# Altium PCB SupBigBrrg_0.PcbDoc (part 21 of 29) (continued)
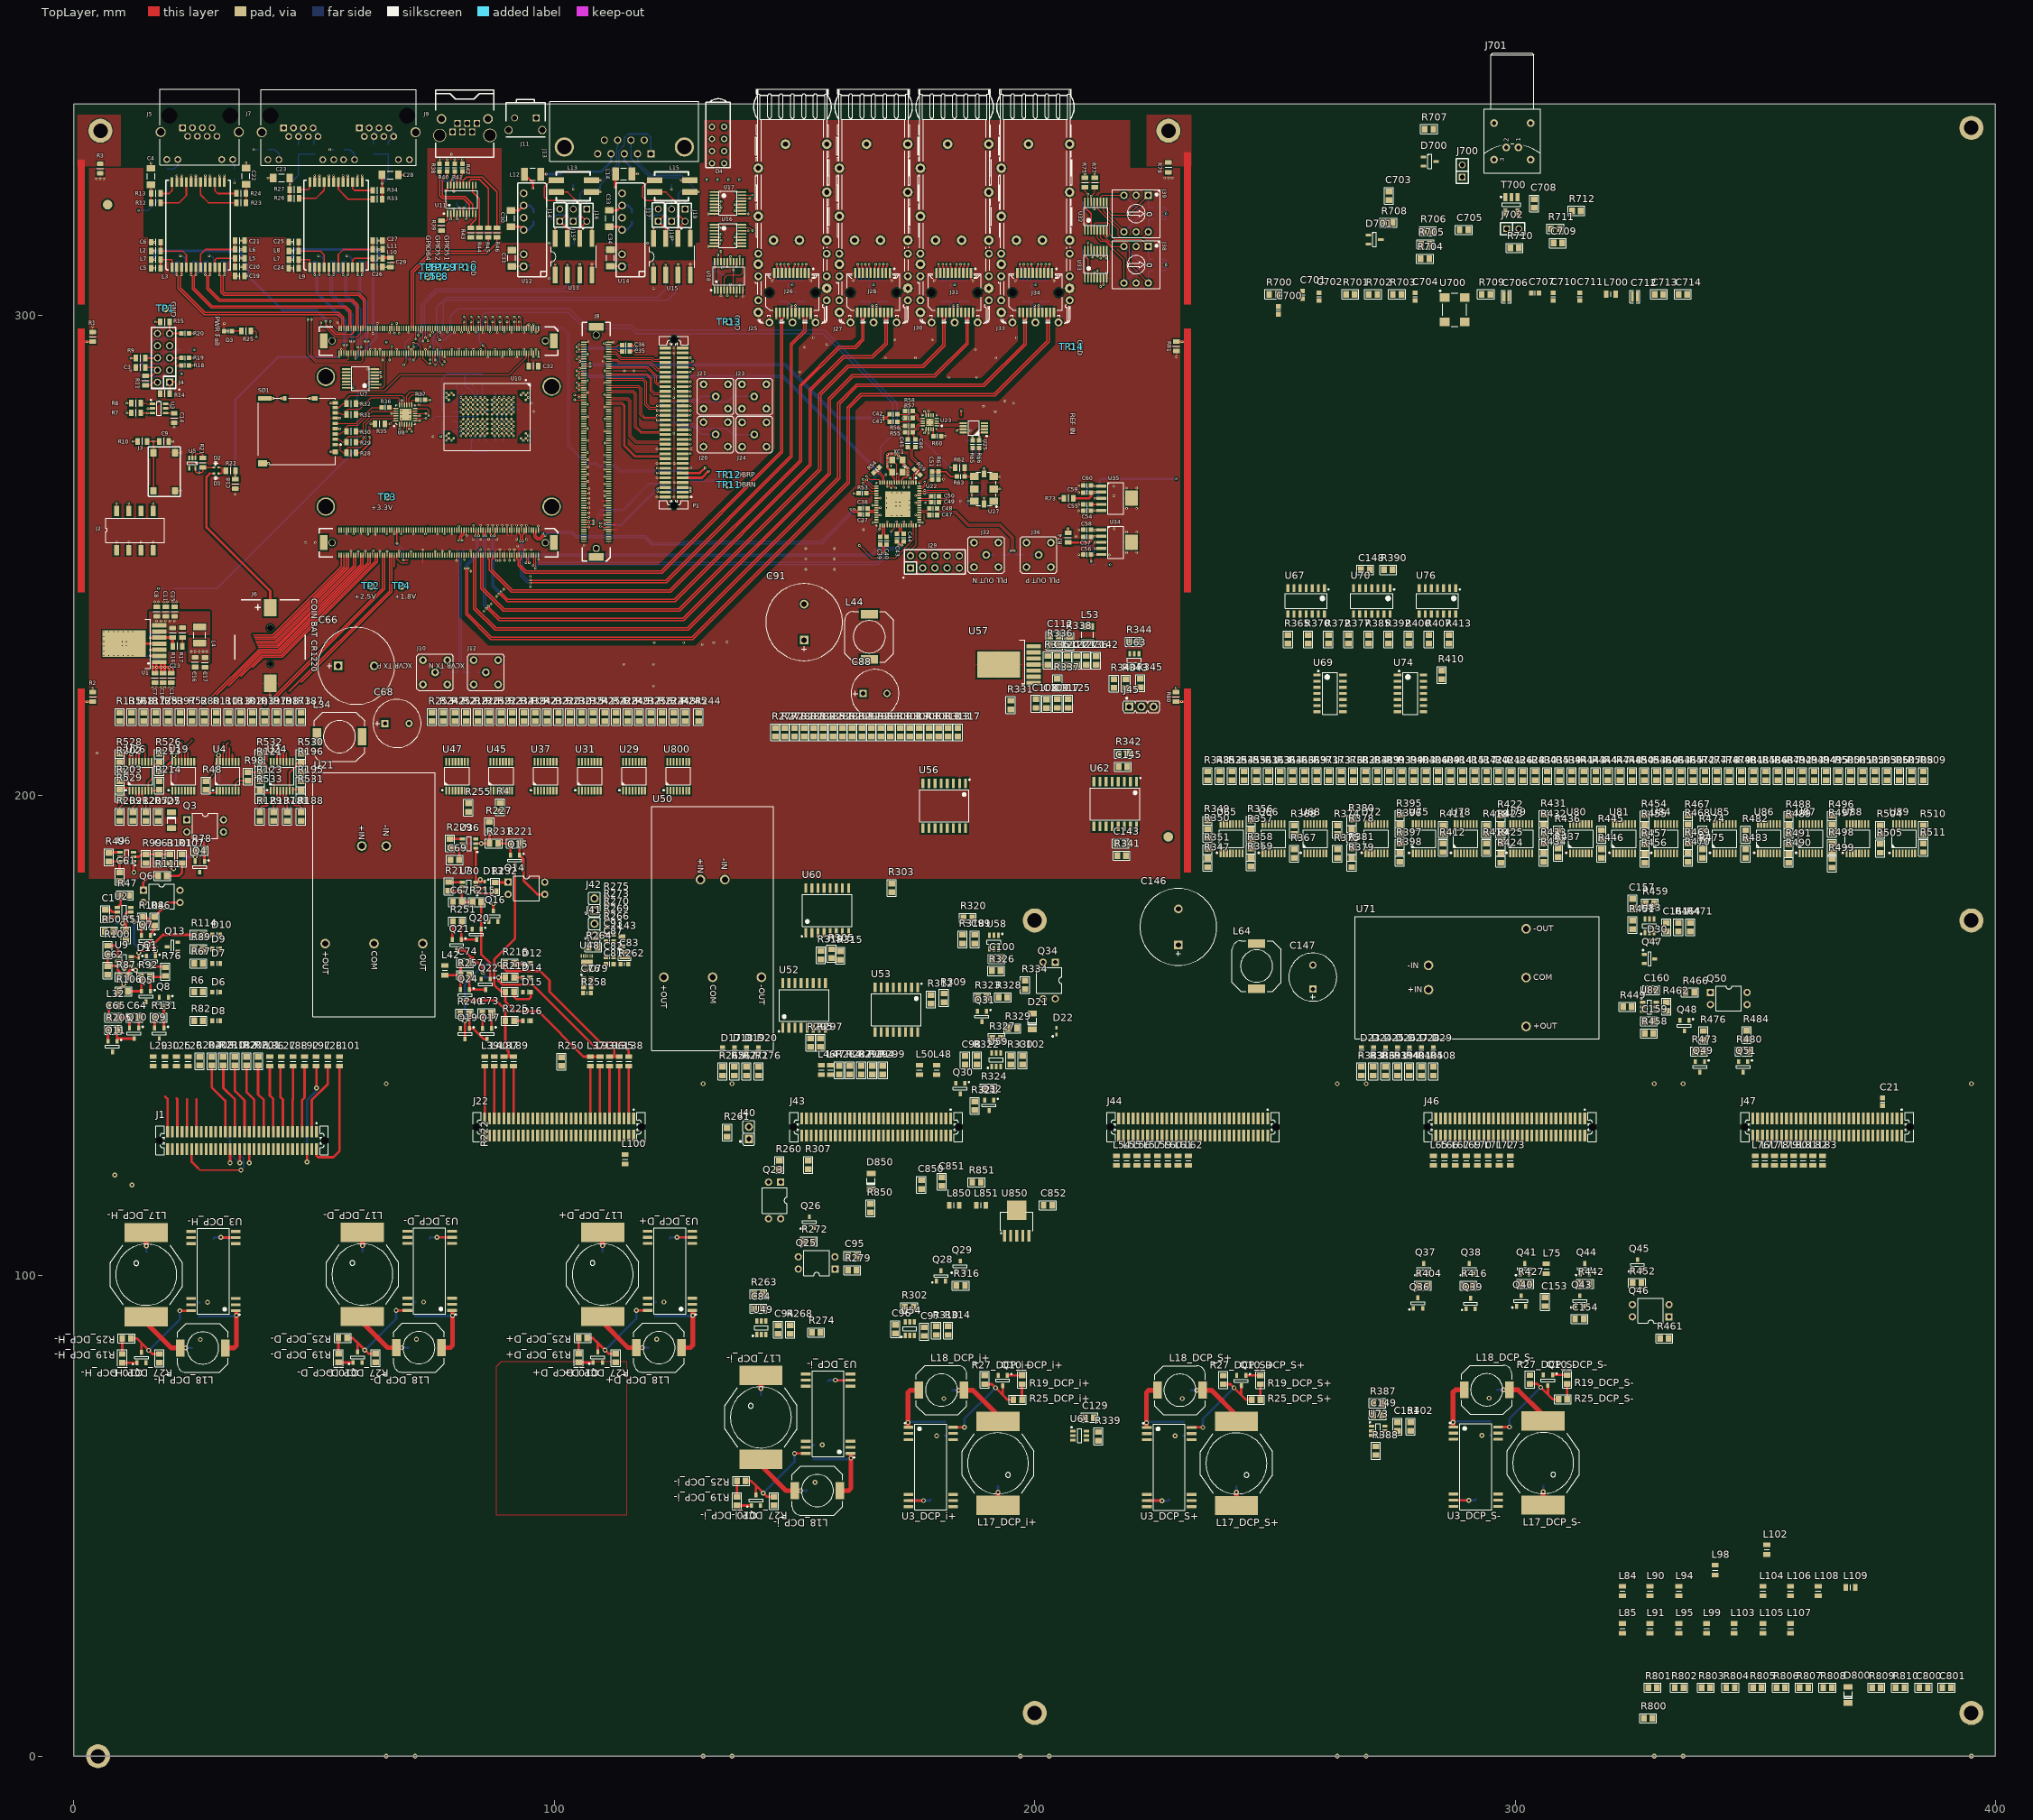
[diagram p0: TopLayer view]
## Components (designator, comment, footprint, x,y, rotation, side; value= is the part's Value field where it differs from the comment) (continued)
C30 "47uF" CAPC3216N 90.95,320.125 r90 top locked (schematic designator C108)
C31 "47uF" CAPC3216N 91.15,311.875 r270 top locked (schematic designator C110)
C32 "DNP" CAPC2012N 95.66,289.41 r180 top locked (schematic designator C127)
C33 "47uF" CAPC3216N 111.45,320.15 r90 top locked (schematic designator C108)
C34 "47uF" CAPC3216N 111.675,311.9 r270 top locked (schematic designator C110)
C35 "100nF" CAPC1608N 114.9,292.475 r0 top locked (schematic designator C186)
C36 "100nF" CAPC1608N 114.9,293.8 r0 top locked (schematic designator C187)
C37 "100nF" CAPC1608N 164.425,258.525 r180 top locked (schematic designator C200)
C38 "100nF" CAPC1608N 164.425,259.8 r180 top locked (schematic designator C201)
C39 "100nF" CAPC1608N 167.875,253.075 r270 top locked (schematic designator C197)
C40 "100nF" CAPC1608N 169.2,253.075 r270 top locked (schematic designator C196)
C41 "100nF" CAPC1608N 170.625,277.825 r180 top locked (schematic designator C193)
C42 "100nF" CAPC1608N 170.625,279.375 r180 top locked (schematic designator C195)
C43 "100nF" CAPC1608N 171.35,253.725 r270 top locked (schematic designator C199)
C44 "100nF" CAPC1608N 172.7,253.725 r270 top locked (schematic designator C198)
C45 "100nF" CAPC1608N 173.575,273.35 r270 top locked (schematic designator C185)
C46 "100nF" CAPC1608N 175.2,273.35 r270 top locked (schematic designator C184)
C47 "100nF" CAPC1608N 178.85,258.4 r0 top locked (schematic designator C191)
C48 "100nF" CAPC1608N 178.85,259.725 r0 top locked (schematic designator C192)
C49 "100nF" CAPC1608N 179.275,261.05 r0 top locked (schematic designator C181)
C50 "100nF" CAPC1608N 179.275,262.3 r0 top locked (schematic designator C180)
C51 "100nF" CAPC1608N 178.625,266.625 r270 top locked (schematic designator C182)
C54 "100nF" CAPC1608N 210.9,259.3 r180 top locked (schematic designator C154)
C55 "10nF" CAPC1608N 210.9,260.6 r0 top locked (schematic designator C158)
C56 "100nF" CAPC1608N 210.923,250.15 r180 top locked (schematic designator C145)
C57 "100nF" CAPC1608N 210.923,253.875 r180 top locked (schematic designator C152)
C58 "100nF" CAPC1608N 210.923,255.325 r0 top locked (schematic designator C151)
C59 "100nF" CAPC1608N 210.925,263.075 r180 top locked (schematic designator C153)
C60 "100nF" CAPC1608N 210.925,264.525 r0 top locked (schematic designator C157)
C61 "100nF" SMD0805CAP 9.502,182.098 r90 top locked (schematic designator C250)
C62 "100nF" SMD0805CAP 7.002,162.598 r90 top locked (schematic designator C235)
C63 "100nF" SMD0805CAP 17.498,187.852 r270 top locked (schematic designator C251)
C64 "2u2F" SMD0805CAP 13.602,153.752 r180 top locked (schematic designator C252)
C65 "100nF" SMD0805CAP 9.152,153.752 r180 top locked (schematic designator C234)
C66 "330uF100V" CAPPR750-1600X2000 58.75,227 r0 top locked value=330uF (schematic designator C239)
C67 "100nF" SMD0805CAP 78.798,177.798 r0 top locked (schematic designator C1)
C68 "100uF100V" CAPPR500-1000X1250 67.25,215 r0 top locked value=100uF (schematic designator C240)
C69 "100nF" SMD0805CAP 78.298,186.598 r0 top locked (schematic designator C3)
C70 "22uF" CAPC2012N 214.625,255.55 r180 bottom locked (schematic designator C148)
C71 "1uF" CAPC2012N 214.525,262.408 r180 bottom locked (schematic designator C155)
C72 "22uF" CAPC2012N 214.525,264.408 r180 bottom locked (schematic designator C156)
C73 "2u2F" SMD0805CAP 86.902,154.702 r180 top locked (schematic designator C5)
C74 "100nF" SMD0805CAP 82.402,165.102 r180 top locked (schematic designator C6)
C75 "1uF" CAPC2012N 213.673,252.75 r90 bottom locked (schematic designator C147)
C76 "100nF" CAPC1608X87N 106.1,160.95 r90 top locked (schematic designator C20)
C77 "10nF" CAPC1608N 211.523,252.75 r90 bottom locked (schematic designator C146)
C78 "0.1uF" CAPC2012N 210.45,320.625 r270 bottom locked (schematic designator C144)
C79 "100nF" CAPC1608X87N 107.65,160.95 r90 top locked (schematic designator C21)
C80 "0.1uF" CAPC2012N 210.45,310.575 r270 bottom locked (schematic designator C143)
C81 "10nF" CAPC1608X87N 111.5,164.9 r180 top locked (schematic designator C25)
C82 "100nF" CAPC1608X87N 111.5,166.45 r180 top locked (schematic designator C22)
C83 "1uF" 0508 114.621,166.225 r90 top locked (schematic designator C26)
C84 "100nF" SMD0805CAP 143.502,93.202 r180 top locked (schematic designator C272)
C85 "22uF" CAPC2012N 203.055,303.825 r270 bottom locked (schematic designator C139)
C86 "100nF" CAPC1608N 202.125,301.1 r180 bottom locked (schematic designator C140)
C87 "100nF" CAPC1608X87N 111.5,169.55 r180 top locked (schematic designator C24)
C88 "100uF100V" CAPPR500-1000X1250 166.75,221.25 r0 top value=100uF (schematic designator C259)
C89 "100nF" CAPC1608N 198.675,301.125 r0 bottom locked (schematic designator C138)
C90 "100nF" CAPC1608N 198.45,306.275 r0 bottom locked (schematic designator C136)
C91 "330uF100V" CAPPR750-1600X2000 152,236.1 r90 top locked value=330uF (schematic designator C258)
C92 "22uF" CAPC2012N 197.355,303.8 r270 bottom locked (schematic designator C137)
C93 "100nF" CAPC1608X87N 111.5,171.1 r180 top locked (schematic designator C23)
C94 "100nF" SMD0805CAP 146.598,89.802 r270 top locked (schematic designator C273)
C95 "2u2F" SMD0805CAP 163.002,104.202 r180 top locked (schematic designator C271)
C96 "100nF" SMD0805CAP 171.002,87.898 r90 top locked (schematic designator C269)
C97 "1nF" SMD0805CAP 177.002,87.398 r90 top locked (schematic designator C270)
C98 "100nF" SMD0805CAP 185.502,143.898 r90 top (schematic designator C254)
C99 "100nF" SMD0805CAP 187.498,171.102 r270 top (schematic designator C268)
C100 "100nF" SMD0805CAP 193.102,166.002 r180 top (schematic designator C267)
C101 "22uF" CAPC2012N 186.18,303.825 r270 bottom locked (schematic designator C139)
C102 "1nF" SMD0805CAP 197.502,143.898 r90 top (schematic designator C257)
C103 "100nF" CAPC1608N 185.375,260.45 r180 bottom locked (schematic designator C165)
C104 "100nF" CAPC1608N 185.325,262.15 r180 bottom locked (schematic designator C164)
C105 "100nF" CAPC1608N 185.25,301.1 r180 bottom locked (schematic designator C140)
C106 "100nF" CAPC1608N 185.025,275.275 r0 bottom locked (schematic designator C163)
C107 "100nF" CAPC1608N 185.025,276.6 r0 bottom locked (schematic designator C162)
C108 "10uF" SMD0805CAP 200.252,218.148 r90 top locked (schematic designator C57)
C109 "10uF" SMD0805CAP 202.502,218.098 r90 top locked (schematic designator C59)
C110 "100nF" CAPC1608N 181.8,301.125 r0 bottom locked (schematic designator C138)
C111 "100nF" CAPC1608N 181.5,306.3 r0 bottom locked (schematic designator C136)
C112 "10uF" SMD0805CAP 203.098,233.248 r0 top locked (schematic designator C67)
C113 "22uF" CAPC2012N 180.48,303.8 r270 bottom locked (schematic designator C137)
C114 "100nF" CAPC1608N 177.9,266.175 r180 bottom locked (schematic designator C183)
C115 "100nF" CAPC1608N 177.55,275.45 r180 bottom locked (schematic designator C189)
C116 "100nF" CAPC1608N 177.5,280.025 r180 bottom locked (schematic designator C188)
C117 "10uF" SMD0805CAP 204.752,218.148 r90 top locked (schematic designator C58)
C118 "100nF" CAPC1608N 176.225,260.925 r180 bottom locked (schematic designator C178)
C119 "100nF" CAPC1608N 176.2,258.425 r180 bottom locked (schematic designator C177)
C120 "10uF" SMD0805CAP 204.748,229.152 r270 top locked (schematic designator C51)
C121 "100nF" CAPC1608N 176.725,256.2 r90 bottom locked (schematic designator C176)
C122 "10uF" SMD0805CAP 206.748,229.152 r270 top locked (schematic designator C52)
C123 "100nF" CAPC1608N 174.6,262.425 r0 bottom locked (schematic designator C171)
C124 "100nF" CAPC1608N 173.925,257.625 r270 bottom locked (schematic designator C169)
C125 "10uF" SMD0805CAP 207.002,218.148 r90 top locked (schematic designator C56)
C126 "100nF" CAPC1608N 172.425,257.6 r270 bottom locked (schematic designator C168)
C127 "10uF" SMD0805CAP 208.752,227.148 r90 top locked (schematic designator C54)
C128 "100nF" CAPC1608N 171.075,257.625 r270 bottom locked (schematic designator C167)
C129 "100nF" SMD0805CAP 212.402,70.502 r180 top locked (schematic designator C290)
C130 "22uF" CAPC2012N 169.305,303.825 r270 bottom locked (schematic designator C139)
C131 "100nF" CAPC1608N 169.275,257.625 r270 bottom locked (schematic designator C166)
C132 "100nF" CAPC1608N 168.425,259.925 r180 bottom locked (schematic designator C174)
C133 "100nF" CAPC1608N 168.425,261.925 r180 bottom locked (schematic designator C175)
C134 "100nF" CAPC1608N 168.375,301.1 r180 bottom locked (schematic designator C140)
C135 "100nF" CAPC1608N 169.05,265.025 r270 bottom locked (schematic designator C179)
C136 "10uF" SMD0805CAP 210.752,227.148 r90 top locked (schematic designator C64)
C137 "100nF" CAPC1608N 166.05,255.4 r0 bottom locked (schematic designator C172)
C138 "100nF" CAPC1608N 166.05,258.425 r0 bottom locked (schematic designator C173)
C139 "100nF" CAPC1608N 165.675,256.975 r0 bottom locked (schematic designator C170)
C140 "100nF" CAPC1608N 164.925,301.125 r0 bottom locked (schematic designator C138)
C141 "100nF" CAPC1608N 164.625,306.3 r0 bottom locked (schematic designator C136)
C142 "10uF" SMD0805CAP 212.748,229.102 r270 top locked (schematic designator C53)
C143 "100nF" SMD0805CAP 216.898,189.998 r0 top (schematic designator C48)
C144 "22uF" CAPC2012N 163.605,303.8 r270 bottom locked (schematic designator C137)
C145 "100nF" SMD0805CAP 217.398,205.998 r0 top (schematic designator C47)
C146 "330uF100V" CAPPR750-1600X2000 229.9,172.65 r90 top locked value=330uF (schematic designator C279)
C147 "100uF100V" CAPPR500-1000X1250 257.9,162.2 r90 top locked value=100uF (schematic designator C280)
C148 "1uF" SMD0805CAP 267.848,246.998 r0 top locked (schematic designator C70)
C149 "100nF" SMD0805CAP 270.398,70.998 r0 top locked (schematic designator C293)
C150 "22uF" CAPC2012N 152.425,303.825 r270 bottom locked (schematic designator C139)
C151 "100nF" SMD0805CAP 275.502,67.648 r90 top locked (schematic designator C292)
C152 "100nF" CAPC1608N 151.5,301.1 r180 bottom locked (schematic designator C140)
C153 "100nF" SMD0805CAP 306.252,93.598 r90 top locked (schematic designator C295)
C154 "2u2F" SMD0805CAP 312.398,90.998 r0 top locked (schematic designator C294)
C155 "100nF" CAPC1608N 148.05,301.125 r0 bottom locked (schematic designator C138)
C156 "100nF" CAPC1608N 147.75,306.3 r0 bottom locked (schematic designator C136)
C157 "100nF" SMD0805CAP 324.498,178.602 r270 top locked (schematic designator C275)
C158 "22uF" CAPC2012N 146.775,303.825 r270 bottom locked (schematic designator C137)
C159 "100nF" SMD0805CAP 326.898,152.998 r0 top locked (schematic designator C289)
C160 "100nF" SMD0805CAP 327.398,159.498 r0 top locked (schematic designator C288)
C161 "1nF" SMD0805CAP 331.502,171.598 r90 top locked (schematic designator C278)
C162 "0.1uF" CAPC2012N 136.2,318.875 r180 bottom locked (schematic designator C142)
C163 "0.1uF" CAPC2012N 136.2,325.675 r180 bottom locked (schematic designator C141)
C164 "0.1uF" CAPC2012N 133.4,308 r270 bottom locked (schematic designator C135)
C165 "1nF; 2kV" CAPC3216N 124.425,325.625 r270 bottom locked value=1nF (schematic designator C104)
C166 "0.1uF" CAPC2012N 120.675,316 r90 bottom locked (schematic designator C107)
C167 "0.1uF" CAPC2012N 120.65,308.45 r90 bottom locked (schematic designator C106)
C168 "0.1uF" CAPC2012N 116.2,320.375 r90 bottom locked (schematic designator C105)
C169 "0.1uF" CAPC2012N 115.925,311.425 r270 bottom locked (schematic designator C109)
C170 "1nF; 2kV" CAPC3216N 103.95,325.625 r270 bottom locked value=1nF (schematic designator C104)
C171 "0.1uF" CAPC2012N 100.2,316 r90 bottom locked (schematic designator C107)
C172 "0.1uF" CAPC2012N 100.175,308.625 r90 bottom locked (schematic designator C106)
C173 "0.1uF" CAPC2012N 95.65,320.4 r90 bottom locked (schematic designator C105)
C174 "0.1uF" CAPC2012N 95.45,311.425 r270 bottom locked (schematic designator C109)
C175 "1uF" CAPC2012N 93.7,279.95 r180 bottom locked (schematic designator C123)
C176 "100nF" CAPC1608N 93.525,281.7 r0 bottom locked (schematic designator C194)
C177 "100nF" CAPC1608N 89.05,278.9 r180 bottom locked (schematic designator C125)
C178 "100nF" CAPC1608N 88.55,273.8 r180 bottom locked (schematic designator C126)
C179 "100nF" CAPC1608N 88.55,284 r180 bottom locked (schematic designator C124)
C180 "100nF" CAPC1608N 86.575,280.875 r270 bottom locked (schematic designator C130)
C181 "0.1uF" CAPC2012N 82.985,321.16 r0 bottom locked (schematic designator C77)
C182 "100nF" CAPC1608N 82.075,283.9 r180 bottom locked (schematic designator C129)
C183 "100nF" CAPC1608N 81.9,273.775 r180 bottom locked (schematic designator C149)
C184 "0.1uF" CAPC2012N 80.71,323.56 r180 bottom locked (schematic designator C79)
C185 "100nF" CAPC1608N 81.075,252.275 r90 bottom locked (schematic designator C190)
C186 "0.1uF" CAPC2012N 79.135,319.01 r180 bottom locked (schematic designator C78)
C187 "0.1uF" CAPC2012N 79.86,327.085 r90 bottom locked (schematic designator C80)
C188 "100nF" CAPC1608N 79.775,252.275 r90 bottom locked (schematic designator C159)
C189 "100nF" SMD0805CAP 381.102,189.998 r180 bottom locked (schematic designator C229)
C190 "0.1uF" CAPC2012N 76.985,322.185 r180 bottom locked (schematic designator C76)
C191 "100nF" SMD0805CAP 380.902,191.998 r180 bottom locked (schematic designator C230)
C192 "100nF" SMD0805CAP 372.102,189.998 r180 bottom locked (schematic designator C227)
C193 "100nF" SMD0805CAP 371.902,191.998 r180 bottom locked (schematic designator C228)
C194 "100nF" SMD0805CAP 362.102,189.998 r180 bottom locked (schematic designator C231)
C195 "100nF" SMD0805CAP 361.902,191.998 r180 bottom locked (schematic designator C232)
C196 "100nF" SMD0805CAP 353.102,191.998 r180 bottom locked (schematic designator C221)
C197 "100nF" CAPC1608N 66.75,278.875 r0 bottom locked (schematic designator C121)
C198 "100nF" CAPC1608N 67.425,281.275 r270 bottom locked (schematic designator C122)
C199 "0.1uF" CAPC2012N 58.1,286.8 r270 bottom locked (schematic designator C128)
C200 "100nF" CAPC1608N 54.375,277.475 r90 bottom locked (schematic designator C150)
C201 "100nF" SMD0805CAP 352.902,188.998 r180 bottom locked (schematic designator C222)
C202 "100nF" SMD0805CAP 344.102,191.998 r180 bottom locked (schematic designator C223)
C203 "100nF" SMD0805CAP 344.102,189.998 r180 bottom locked (schematic designator C224)
C204 "100nF" SMD0805CAP 332.102,189.998 r180 bottom locked (schematic designator C226)
C205 "100nF" SMD0805CAP 331.902,191.998 r180 bottom locked (schematic designator C225)
C206 "100nF" SMD0805CAP 323.102,191.998 r180 bottom locked (schematic designator C216)
C207 "100nF" SMD0805CAP 322.902,189.998 r180 bottom locked (schematic designator C215)
C208 "100nF" SMD0805CAP 313.902,191.998 r180 bottom locked (schematic designator C217)
C209 "100nF" SMD0805CAP 313.902,189.998 r180 bottom locked (schematic designator C218)
C210 "2u2F" SMD0805CAP 306.002,157.602 r270 bottom locked (schematic designator C277)
C212 "1uF" CAPC2012N 25.95,269.45 r270 bottom locked (schematic designator C134)
C213 "100nF" SMD0805CAP 304.098,165.898 r90 bottom locked (schematic designator C286)
C214 "100nF" CAPC1608N 24.3,269.35 r270 bottom locked (schematic designator C133)
C215 "100nF" SMD0805CAP 301.998,155.098 r90 bottom locked (schematic designator C276)
C216 "100nF" SMD0805CAP 301.902,191.998 r180 bottom locked (schematic designator C219)
C217 "22uF" CAPC2012N 20.95,238.325 r270 bottom locked (schematic designator C99)
C218 "22uF" CAPC2012N 20.26,224.485 r90 bottom locked (schematic designator C94)
C219 "22uF" CAPC2012N 19.075,238.325 r90 bottom locked (schematic designator C86)
C220 "22uF" CAPC2012N 18.535,224.485 r90 bottom locked (schematic designator C93)
C221 "0.1uF" CAPC2012N 17.75,280.6 r0 bottom locked (schematic designator C112)
C222 "DNP" CAPC2012N 17.785,229.285 r270 bottom locked (schematic designator C101)
C223 "22uF" CAPC2012N 17.2,238.325 r90 bottom locked (schematic designator C85)
C224 "22uF" CAPC2012N 16.81,224.485 r90 bottom locked (schematic designator C95)
C225 "DNP" CAPC2012N 14.5,230.05 r90 bottom locked (schematic designator C84)
C226 "100nF" SMD0805CAP 301.902,189.998 r180 bottom locked (schematic designator C220)
C227 "2u2F" SMD0805CAP 299.102,167.702 r270 bottom locked (schematic designator C287)
C230 "1nF" SMD0805CAP 290.648,155.252 r0 bottom locked (schematic designator C274)
C233 "100nF" SMD0805CAP 290.102,191.998 r180 bottom locked (schematic designator C211)
C234 "100nF" SMD0805CAP 290.102,189.998 r180 bottom locked (schematic designator C212)
C237 "100nF" SMD0805CAP 287.002,241.852 r270 bottom locked (schematic designator C72)
C238 "2u2F" SMD0805CAP 283.402,162.702 r270 bottom locked (schematic designator C284)
C239 "100nF" SMD0805CAP 281.402,224.998 r180 bottom locked (schematic designator C75)
C240 "100nF" SMD0805CAP 280.902,191.998 r180 bottom locked (schematic designator C210)
C241 "100nF" SMD0805CAP 280.902,189.998 r180 bottom locked (schematic designator C209)
C242 "100nF" SMD0805CAP 273.248,239.848 r90 bottom locked (schematic designator C73)
C243 "100nF" SMD0805CAP 271.102,191.998 r180 bottom locked (schematic designator C213)
C244 "100nF" SMD0805CAP 271.102,189.998 r180 bottom locked (schematic designator C214)
C245 "100nF" SMD0805CAP 265.352,225.248 r180 bottom locked (schematic designator C74)
C246 "100nF" SMD0805CAP 259.748,239.848 r90 bottom locked (schematic designator C202)
C247 "100nF" SMD0805CAP 259.602,163.302 r270 bottom locked (schematic designator C282)
C248 "100nF" SMD0805CAP 258.902,191.998 r180 bottom locked (schematic designator C205)
C249 "100nF" SMD0805CAP 258.902,189.998 r180 bottom locked (schematic designator C206)
C250 "100nF" SMD0805CAP 255.898,161.398 r90 bottom locked (schematic designator C285)
C251 "100nF" SMD0805CAP 250.102,191.998 r180 bottom locked (schematic designator C204)
C252 "100nF" SMD0805CAP 250.102,189.998 r180 bottom locked (schematic designator C203)
C254 "100nF" SMD0805CAP 241.102,191.998 r180 bottom locked (schematic designator C208)
C255 "100nF" SMD0805CAP 241.102,189.998 r180 bottom locked (schematic designator C207)
C257 "2u2F" SMD0805CAP 232.002,173.602 r270 bottom locked (schematic designator C283)
C261 "100nF" SMD0805CAP 227.502,173.602 r270 bottom locked (schematic designator C281)
C264 "1nF" SMD0805CAP 220.998,227.348 r90 bottom locked (schematic designator C69)
C265 "100nF" SMD0805CAP 218.748,227.348 r90 bottom locked (schematic designator C66)
C266 "10uF" SMD0805CAP 212.748,227.148 r90 bottom locked (schematic designator C63)
C267 "10uF" SMD0805CAP 210.748,227.148 r90 bottom locked (schematic designator C62)
C268 "10uF" SMD0805CAP 208.752,229.152 r270 bottom locked (schematic designator C50)
C269 "1nF" SMD0805CAP 206.848,66.752 r0 bottom locked (schematic designator C291)
C270 "10uF" SMD0805CAP 206.748,227.148 r90 bottom locked (schematic designator C61)
C271 "10uF" SMD0805CAP 204.748,227.148 r90 bottom locked (schematic designator C65)
C272 "10uF" SMD0805CAP 198.348,226.752 r0 bottom locked (schematic designator C68)
C273 "10uF" SMD0805CAP 200.352,224.748 r180 bottom locked (schematic designator C49)
C274 "100nF" SMD0805CAP 200.102,199.748 r180 bottom (schematic designator C46)
C275 "100nF" SMD0805CAP 199.852,196.498 r180 bottom (schematic designator C45)
C276 "10uF" SMD0805CAP 194.398,223.252 r0 bottom locked (schematic designator C55)
C277 "10uF" SMD0805CAP 194.398,221.502 r0 bottom locked (schematic designator C60)
C280 "100nF" SMD0805CAP 180.598,196.252 r0 bottom (schematic designator C44)
C281 "100nF" SMD0805CAP 180.398,199.502 r0 bottom (schematic designator C43)
C287 "100nF" SMD0805CAP 137.398,171.752 r0 bottom locked (schematic designator C266)
C288 "100nF" SMD0805CAP 126.648,172.252 r0 bottom locked (schematic designator C256)
C289 "100nF" SMD0805CAP 165.852,196.998 r180 bottom (schematic designator C42)
C290 "100nF" SMD0805CAP 163.098,200.002 r0 bottom (schematic designator C41)
C291 "2u2F" SMD0805CAP 128.652,167.498 r180 bottom locked (schematic designator C255)
C292 "2u2F" SMD0805CAP 139.402,166.748 r180 bottom locked (schematic designator C265)
C294 "1nF" SMD0805CAP 122.752,180.402 r270 bottom locked (schematic designator C253)
C295 "100nF" SMD0805CAP 151.402,195.748 r180 bottom (schematic designator C39)
C296 "100nF" SMD0805CAP 151.152,199.498 r180 bottom (schematic designator C40)
C297 "2u2F" SMD0805CAP 134.102,193.248 r180 bottom locked (schematic designator C263)
C300 "100nF" SMD0805CAP 134.602,186.248 r180 bottom locked (schematic designator C264)
C303 "100nF" SMD0805CAP 154.002,237.152 r270 bottom (schematic designator C261)
C306 "100nF" SMD0805CAP 151.102,237.052 r270 bottom (schematic designator C260)
C307 "2u2" SMD0805CAP 148.002,237.052 r270 bottom (schematic designator C262)
C308 "100nF" SMD0805CAP 80.102,202.748 r180 bottom locked (schematic designator C29)
C309 "100nF" SMD0805CAP 80.102,205.748 r180 bottom locked (schematic designator C30)
C316 "100nF" SMD0805CAP 88.602,205.498 r180 bottom locked (schematic designator C27)
C317 "100nF" SMD0805CAP 88.602,202.748 r180 bottom locked (schematic designator C28)
C319 "100nF" SMD0805CAP 97.102,202.748 r180 bottom locked (schematic designator C18)
C320 "100nF" SMD0805CAP 97.102,205.498 r180 bottom locked (schematic designator C19)
C321 "100nF" SMD0805CAP 82.156,189.998 r180 bottom locked (schematic designator C4)
C322 "100nF" SMD0805CAP 105.602,202.748 r180 bottom locked (schematic designator C16)
C323 "100nF" SMD0805CAP 105.602,205.498 r180 bottom locked (schematic designator C17)
C324 "1nF" SMD0805CAP 82.852,181.148 r180 bottom locked (schematic designator C2)
C325 "100nF" SMD0805CAP 114.102,202.748 r180 bottom locked (schematic designator C15)
C326 "100nF" SMD0805CAP 114.102,205.498 r180 bottom locked (schematic designator C14)
C327 "2u2F" SMD0805CAP 63.402,192.898 r180 bottom locked (schematic designator C244)
C330 "100nF" SMD0805CAP 59.902,224.498 r180 bottom locked (schematic designator C241)
C331 "100nF" SMD0805CAP 59.652,227.248 r180 bottom locked (schematic designator C242)
C332 "2u2F" SMD0805CAP 59.852,230.248 r180 bottom locked (schematic designator C243)
C333 "100nF" SMD0805CAP 61.298,185.302 r0 bottom locked (schematic designator C245)
C338 "1nF" SMD0805CAP 52.302,178.102 r270 bottom locked (schematic designator C233)
C339 "100nF" SMD0805CAP 14.102,205.498 r180 bottom locked (schematic designator C37)
C340 "100nF" SMD0805CAP 14,202.998 r180 bottom locked (schematic designator C38)
C342 "2u2F" SMD0805CAP 58.202,167.398 r180 bottom locked (schematic designator C237)
C343 "100nF" SMD0805CAP 66.498,167.402 r0 bottom locked (schematic designator C246)
C344 "2u2F" SMD0805CAP 68.402,170.198 r180 bottom locked (schematic designator C247)
C345 "100nF" SMD0805CAP 56.198,170.202 r0 bottom locked (schematic designator C236)
C346 "100nF" SMD0805CAP 43.402,202.998 r180 bottom locked (schematic designator C35)
C347 "100nF" SMD0805CAP 43.402,205.498 r180 bottom locked (schematic designator C36)
C354 "100nF" SMD0805CAP 23.102,205.498 r180 bottom locked (schematic designator C33)
C355 "100nF" SMD0805CAP 23.102,202.998 r180 bottom locked (schematic designator C34)
C356 "1nF" SMD0805CAP 11.652,167.998 r180 bottom locked (schematic designator C238)
C357 "100nF" SMD0805CAP 32.152,205.498 r180 bottom locked (schematic designator C31)
C359 "100nF" SMD0805CAP 32.152,202.998 r180 bottom locked (schematic designator C32)
C700 "100nF" CAPC1608X87N 250.75,301 r90 top locked (schematic designator C20)
C701 "5p1" CAPC1608X87N 255.75,304.25 r90 top locked (schematic designator C19)
C702 "100nF" CAPC1608X87N 259.198,303.874 r90 top locked (schematic designator C18)
C703 "100nF" SMD0805CAP 273.752,323.848 r90 top locked (schematic designator C25)
C704 "100nF" CAPC1608X87N 279.198,303.874 r90 top locked (schematic designator C17)
C705 "100nF" SMD0805CAP 288.348,317.748 r0 top locked (schematic designator C23)
C706 "1uF" 0508 297.698,303.874 r0 top locked (schematic designator C16)
C707 "100nF" CAPC1608X87N 304.198,304.624 r0 top locked (schematic designator C6)
C708 "100nF" SMD0805CAP 304,324.25 r270 top locked (schematic designator C24)
C709 "100nF" SMD0805CAP 309.902,315.002 r180 top locked (schematic designator C22)
C710 "10nF" CAPC1608X87N 307.948,303.874 r90 top locked (schematic designator C14)
C711 "100nF" CAPC1608X87N 313.448,303.874 r90 top locked (schematic designator C15)
C712 "1uF" 0508 324.448,303.874 r0 top locked (schematic designator C5)
C713 "100nF" SMD0805CAP 328.948,304.374 r0 top locked (schematic designator C3)
C714 "1uF" SMD0805CAP 333.948,304.374 r0 top locked (schematic designator C4)
C800 "10uF" SMD0805CAP 384.049,14.274 r0 top locked (schematic designator C3)
C801 "10uF" SMD0805CAP 388.849,14.274 r0 top locked (schematic designator C4)
C850 "0.1" SMD0805CAP 176.402,117.998 r90 top (schematic designator C5)
C851 "0.1" SMD0805CAP 180.702,118.598 r90 top (schematic designator C4)
C852 "0.1" SMD0805CAP 201.749,114.674 r0 top (schematic designator C3)
D1 "BAS40SL" SOD_923 29.61,267.035 r0 top locked (schematic designator D3)
D2 "BAS40SL" SOD_923 29.61,268.285 r0 top locked (schematic designator D4)
D3 "LB Q39E-N1OO-35-1" LEDC1608N 32.065,296.71 r0 top locked (schematic designator D2)
D4 "H485CGDL" LED_H485C 131.535,344.31 r0 top locked (schematic designator D1)
D5 "BZV55C3V0" DIOMELF3516N 20.3,194.85 r270 top locked value=3V0
D6 "-7VH" LED0603 29.848,159.075 r180 top locked (schematic designator D15)
D7 "+12VH" LED0603 29.848,165.05 r180 top locked (schematic designator D14)
D8 "+3V3H" LED0603 29.848,153.1 r180 top locked (schematic designator D16)
D9 "+18VH" LED0603 29.848,168.025 r180 top locked (schematic designator D11)
D10 "-18VH" LED0603 29.848,171 r180 top locked (schematic designator D13)
D11 "RB521S-30" SODFL1608X65N 13.5,165.5 r270 top locked (schematic designator D12)
D12 "+12VSL" LED0603 94.5,165.05 r180 top locked (schematic designator D10)
D13 "RB521S-30" SODFL1608X65N 85.5,181.4 r270 top locked (schematic designator D7)
D14 "+7DDS" LED0603 94.5,162.063 r180 top locked (schematic designator D6)
D15 "-7DDS" LED0603 94.5,159.075 r180 top locked (schematic designator D8)
D16 "+3V3DDS" LED0603 94.5,153.1 r180 top locked (schematic designator D9)
D17 "+7Vi" LED0603 135,147 r270 top (schematic designator D21)
D18 "-7Vi" LED0603 137.5,147 r270 top (schematic designator D22)
D19 "+18Vi" LED0603 140,147 r270 top
D20 "-18Vi\" LED0603 142.5,147 r270 top
D21 "BZV55C3V0" DIOMELF3516N 199.5,153 r90 top value=3V0 (schematic designator D17)
D22 "RB521S-30" SODFL1608X65N 204.5,150.971 r90 top (schematic designator D18)
D23 "-18VSL" LED0603 268.046,147 r270 top locked (schematic designator D25)
D24 "+18VSL" LED0603 270.537,147 r270 top locked (schematic designator D23)
D25 "+12VSL" LED0603 273.027,147 r270 top locked (schematic designator D26)
D26 "+12VSL" LED0603 275.518,147 r270 top locked (schematic designator D27)
D27 "+3V3SL" LED0603 278.009,147 r270 top locked (schematic designator D29)
D28 "+5VSL" LED0603 280.5,147 r270 top locked (schematic designator D30)
D29 "-7VSL" LED0603 283,147 r270 top locked (schematic designator D28)
D30 "RB521S-30" SODFL1608X65N 328.5,170 r180 top locked (schematic designator D24)
D700 "MMBD1503" SOT95P280X115-3N 282.25,332 r0 top locked (schematic designator D31)
D701 "MMBD1503" SOT95P280X115-3N 270.75,315.75 r0 top locked (schematic designator D5)
D800 "BZV55C3V0" DIOMELF3516N 369.349,12.774 r90 top locked value=3V0 (schematic designator D31)
D850 "BZV55C3V0" DIOMELF3516N 165.949,119.674 r90 top value=3V0 (schematic designator D31)
J1 "PCI_PMC" TYCO_120521-1 52.2,128.196 r180 top locked (schematic designator J32)
J2 "A6SN-4104" DIPSW4-A6SN8 8.87,251.075 r90 top locked (schematic designator J10)
J3 "PTS645SL43SMTR92" PTS645SL43SMTR92 18.785,267.41 r90 top locked (schematic designator J15)
J4 "IDC-10MC" PLD-10 18.65,291.1 r90 top locked (schematic designator J2)
J5 "RJHSE-5381" AMPH-RJHSE-5381_V 26.19,338.135 r180 top locked (schematic designator J11)
J6 "BC501SM" BAT_CR1220 40.85,230.9 r90 top locked (schematic designator J16)
J7 "RJHSE-5381-2" AMPH-RJHSE-5381-02_V 62.975,338.095 r180 top locked (schematic designator J13)
J8 "3 x FX10A-168P-SV1(71)" Mercury_SA2p 112.925,300.65 r180 top locked (schematic designator J3)
J9 "1734723-1@TYCO" RJ14 83.9,339.928 r180 top locked (schematic designator J1)
J10 "DNP" LEMO_EPA.00.250.NTN 75.175,225.65 r0 top locked (schematic designator J20)
J11 "PTS645VL582LFS" PTS645VL582LFS 93.985,341.085 r180 top locked (schematic designator J14)
J12 "DNP" LEMO_EPA.00.250.NTN 85.75,225.65 r0 top locked (schematic designator J23)
J13 "DRB-9MA" DRB-9MA 120.105,333.6 r0 top locked (schematic designator J9)
J14 "PLS-2" PLS-2#1 101.15,320.825 r90 top locked (schematic designator J6)
J15 "PLS-2" PLS-2#1 103.95,320.8 r90 top locked (schematic designator J7)